# KiCad board panel.kicad_pcb (continued)
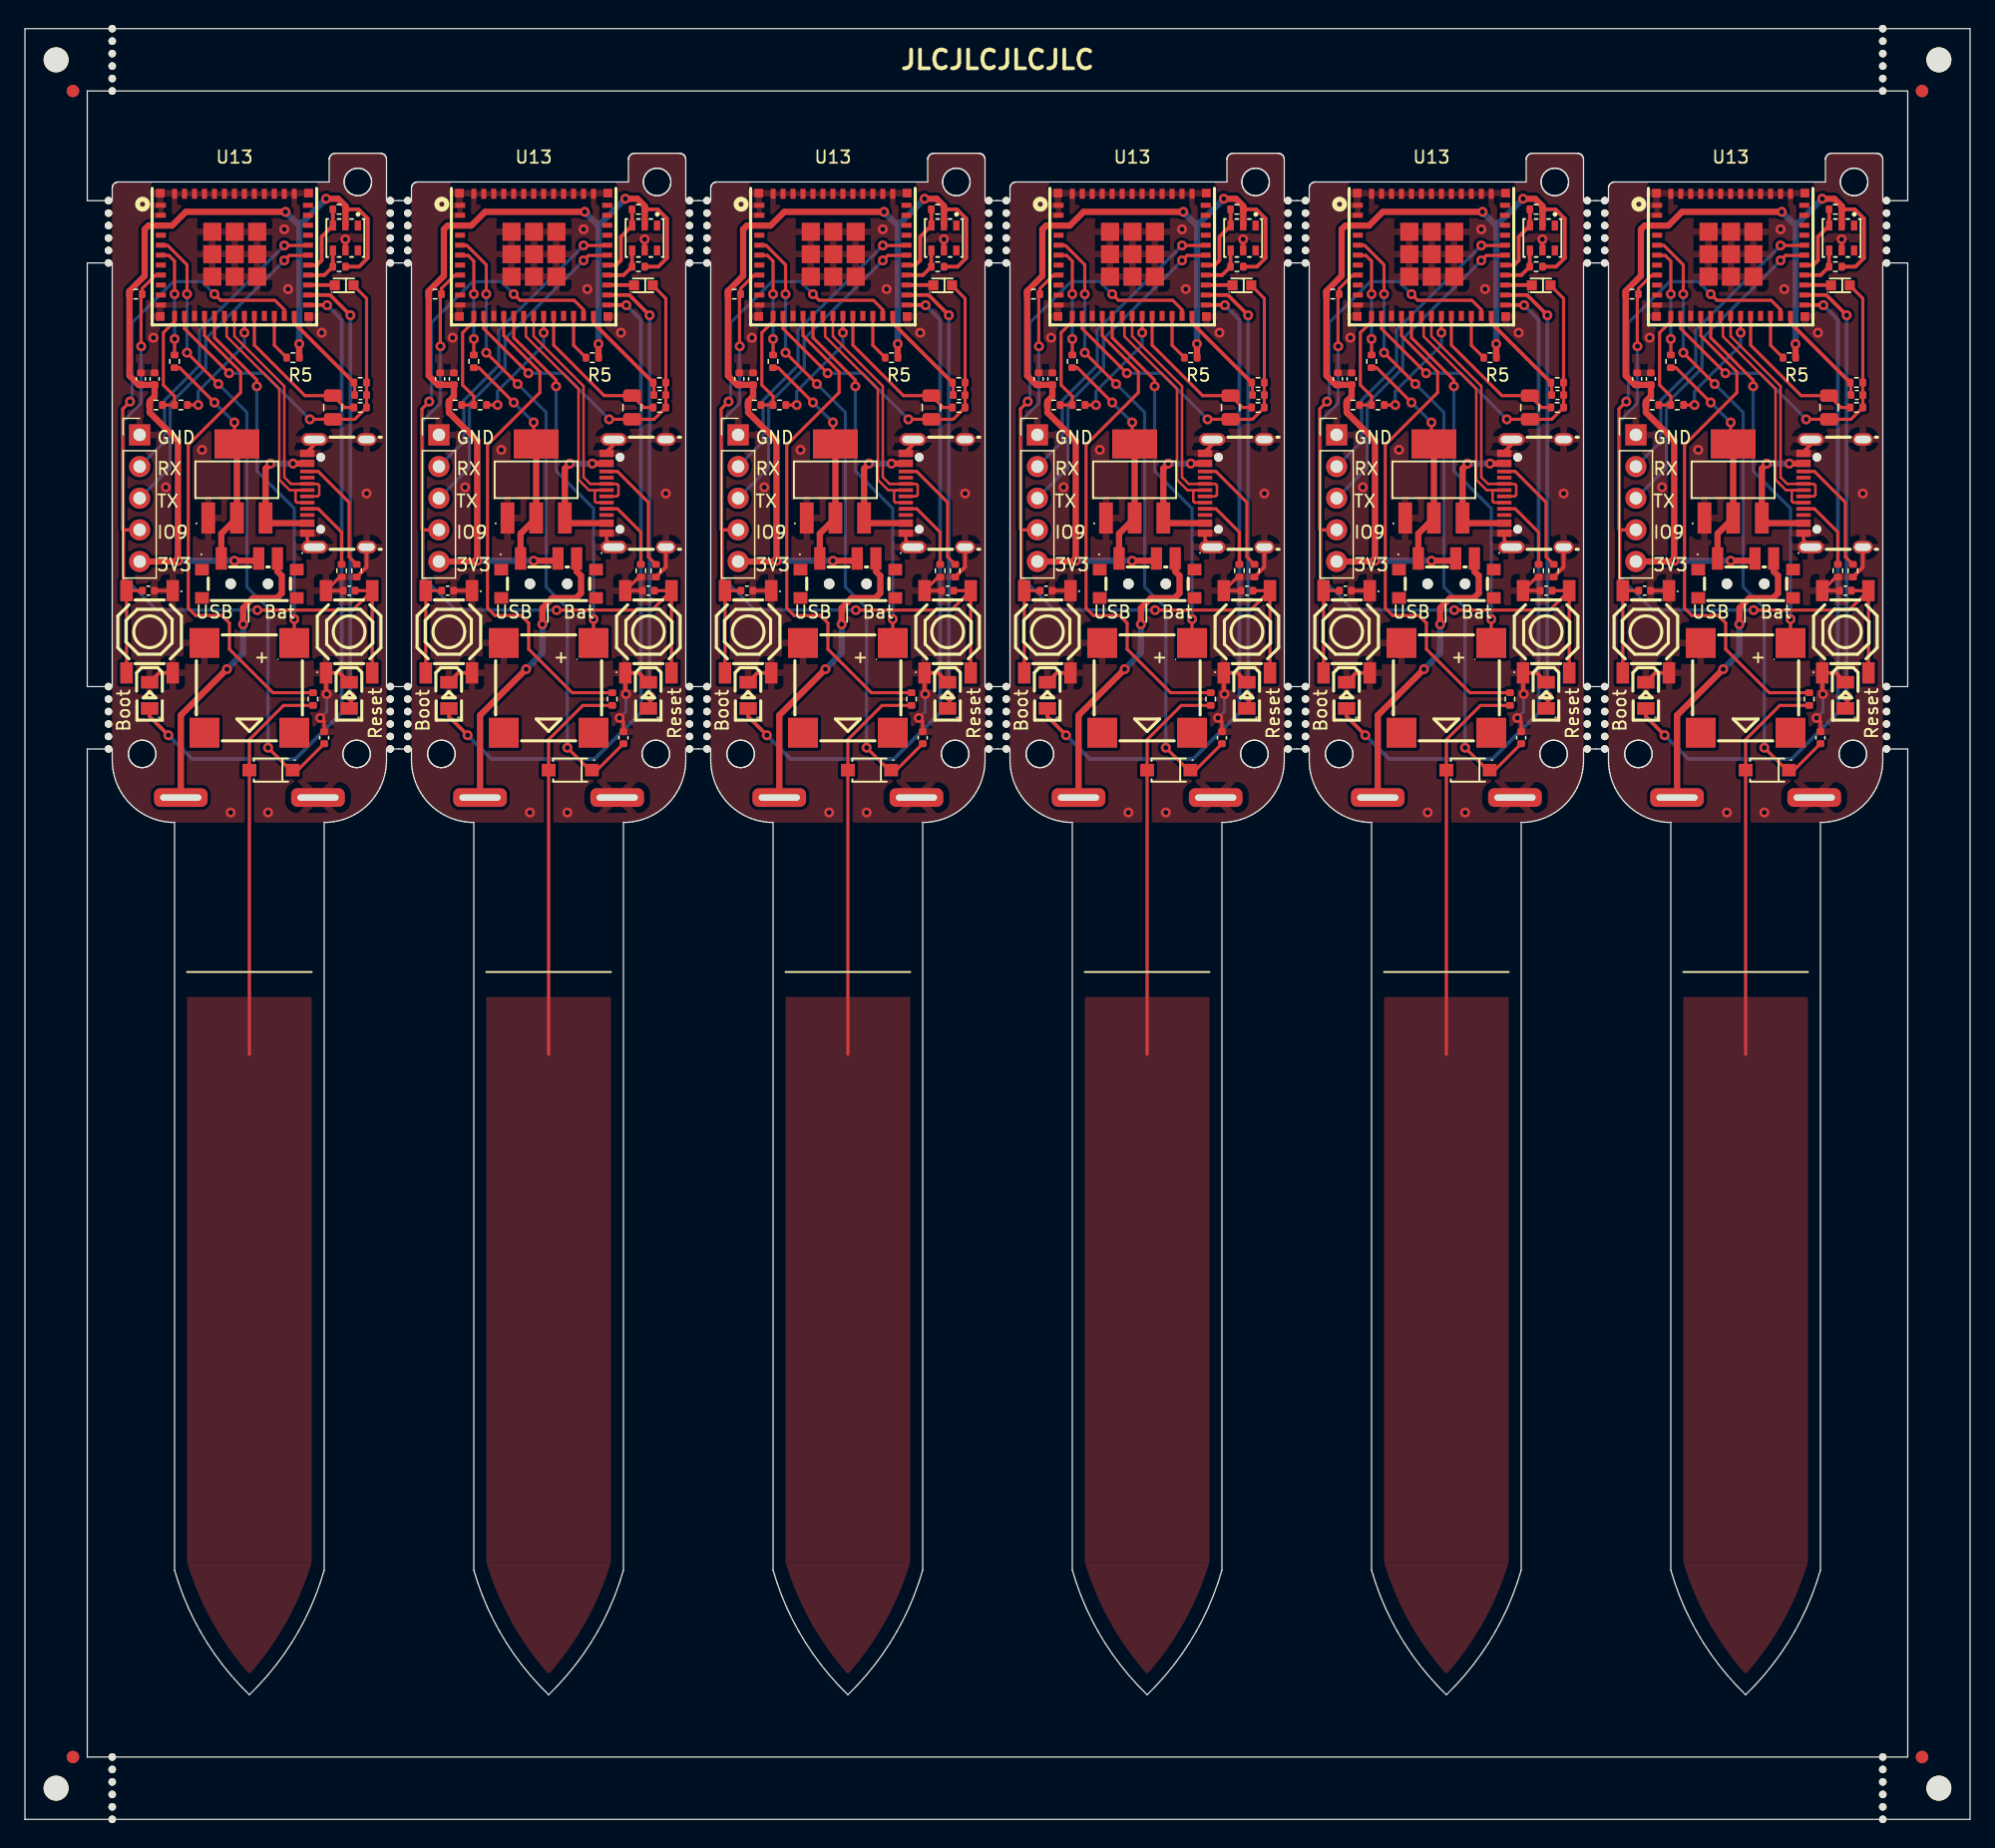
[diagram p0: board, top side]
## Placement (name value [footprint] x y rotation side) (continued)
U9#6  ~  [AAA Battery-spring]  138 82 180 bottom
U13  ESP32-C6-MINI-1/U  [WIFIM-SMD_61P-L16.6-W13.2-P0.80-ESP32-C6-MINI-1-N4]  112.8 125.55 0 top
U13#2  ESP32-C6-MINI-1/U  [WIFIM-SMD_61P-L16.6-W13.2-P0.80-ESP32-C6-MINI-1-N4]  136.8 125.55 0 top
U13#3  ESP32-C6-MINI-1/U  [WIFIM-SMD_61P-L16.6-W13.2-P0.80-ESP32-C6-MINI-1-N4]  88.8 125.55 0 top
U13#4  ESP32-C6-MINI-1/U  [WIFIM-SMD_61P-L16.6-W13.2-P0.80-ESP32-C6-MINI-1-N4]  16.8 125.55 0 top
U13#5  ESP32-C6-MINI-1/U  [WIFIM-SMD_61P-L16.6-W13.2-P0.80-ESP32-C6-MINI-1-N4]  40.8 125.55 0 top
U13#6  ESP32-C6-MINI-1/U  [WIFIM-SMD_61P-L16.6-W13.2-P0.80-ESP32-C6-MINI-1-N4]  64.8 125.55 0 top

## Library data of the parts
BZ1 BZ1#2-BZ1#6 = -: Frequency: 2700Hz; LCSC: C94599; MPN: C94599
C1 C1#2-C1#6 C2 C2#2-C2#6 C5 C5#2-C5#6 = -: Description: Unpolarized capacitor; LCSC: C1525; MPN: C1525
C3 C3#2-C3#6 = -: Description: Unpolarized capacitor; LCSC: C1527; MPN: C1527
C7 C7#2-C7#6 = -: Description: Unpolarized capacitor; LCSC: C16780; MPN: C16780
C8 C8#2-C8#6 = -: Description: Unpolarized capacitor; LCSC: C15195; MPN: C15195
C9 C9#2-C9#6 = -: Description: Unpolarized capacitor; LCSC: C15525; MPN: C15525
D1 D1#2-D1#6 = -: LCSC: C2297; MPN: C2297
D2 D2#2-D2#6 = -: LCSC: C81598; MPN: C81598
D3 D3#2-D3#6 = -: LCSC: C84256; MPN: C84256
J1 J1#2-J1#6 = -: Description: Generic connector, single row, 01x05, script generated (kicad-library-utils/schlib/autogen/connector/); LCSC: /; MPN: /
R1 R1#2-R1#6 = -: Description: Resistor; LCSC: C26082; MPN: C26082
R2 R2#2-R2#6 R4 R4#2-R4#6 R10 R10#2-R10#6 R11 R11#2-R11#6 R12 R12#2-R12#6 = -: Description: Resistor; LCSC: C25905; MPN: C25905
R3 R3#2-R3#6 = -: Description: Resistor; LCSC: C11702; MPN: C11702
R5 R5#2-R5#6 R7 R7#2-R7#6 R8 R8#2-R8#6 R9 R9#2-R9#6 = -: Description: Resistor; LCSC: C25744; MPN: C25744
R6 R6#2-R6#6 = -: Description: Resistor; LCSC: C4109; MPN: C4109
U1 U1#2-U1#6 = -: LCSC: C2997435
U3 U3#2-U3#6 U4 U4#2-U4#6 = -: LCSC: C318884; MPN: C318884
U5 U5#2-U5#6 = -: LCSC: C2757850; MPN: C2757850
U6 U6#2-U6#6 = -: LCSC: C146233; MPN: C146233
U7 U7#2-U7#6 = -: LCSC: C6186; MPN: C6186
U8 U8#2-U8#6 = -: JLCPCB Position Offset: 0,0,-0.5; LCSC: C778186; MPN: C778186
U9 U9#2-U9#6 = -: LCSC: /; MPN: /
U13 U13#2-U13#6 = -: LCSC: C5736265; MPN: C5736265

## Footprints (pads in the part's own frame, mm; a bottom-side part is the same pattern mirrored in y, then rotated)
AAA Battery-spring
  rrect 4.3x1.5 hole 3.3x0.5: 1(-5.5,0) 2(5.5,0)
BUZ-SMD_4P-L8.5-W8.5-P8.50-BR
  rect 2.4x2.4 smd: 1(-3.6,-3.6) 2(3.6,-3.6) 3(3.6,3.6) 4(-3.6,3.6)
C_0402_1005Metric
  rrect 0.56x0.62 smd: 1(-0.48,0) 2(0.48,0)
C_0805_2012Metric
  rrect 1x1.45 smd: 1(-0.95,0) 2(0.95,0)
Fiducial
  round 1 smd: (0,0)
LED0805-R-RD
  rect 1x1.4 smd: 1(1.05,0) 2(-1.05,0)
NPTH
  round 0.6 hole 0.6 unplated: (0,0)
NPTH#2
  round 2 hole 2 unplated: (0,0)
PinHeader_1x05_P2.54mm_Vertical
  rect 1.7x1.7 hole 1: 1(0,0)
  oval 1.7x1.7 hole 1: 2(0,-2.54) 3(0,-5.08) 4(0,-7.62) 5(0,-10.16)
R_0402_1005Metric
  rrect 0.54x0.64 smd: 1(-0.51,0) 2(0.51,0)
SENSOR-SMD_L3.0-W3.0-P1.00-BR
  rect 0.8x0.5 smd: 1(1,-1) 2(1,0) 3(1,1) 4(-1,1) 5(-1,0) 6(-1,-1)
SENSORS-SMD_ALS-PT19
  rect 0.8x0.8 smd: 1(-0.75,0) 2(0.75,0)
SOD-123F_L2.7-W1.6-LS3.8-RD
  rect 1.1x1 smd: 1(-1.735,0) 2(1.735,0)
SOT-223-3_L6.5-W3.4-P2.30-LS7.0-BR
  rect 2.5x1.1 smd: 1(2.97,-2.3) 2(2.97,0) 3(2.97,2.3)
  rect 2.34x3.6 smd: 4(-2.97,0)
SW-SMD_4P-L5.1-W5.1-P3.70-LS6.5-TL-2
  rect 1.7x1 smd: 1(-3.3,1.85) 1(3.3,1.85) 2(-3.3,-1.85) 2(3.3,-1.85)
SW-SMD_MK-12C02-G025
  round 0.85 hole 0.85 unplated: (-1.5,-0.448) (1.5,-0.448)
  rect 0.9x1.8 smd: 1(-2.25,1.583) 2(0.75,1.583) 3(2.25,1.583)
  rect 1.1x0.93 smd: 4(3.8,0.687) 5(3.8,-1.583) 6(-3.8,-1.583) 7(-3.8,0.687)
USB-C-SMD_G-SWITCH_GT-USB-7010EN
  round 0.7 hole 0.7 unplated: (-2.89,1.302) (2.89,1.302)
  oval 1x2.1 hole 0.6x1.7: 1(-4.32,1.803) 2(4.32,1.803)
  oval 1x1.6 hole 0.6x1.3: 3(4.32,-2.378) 4(-4.32,-2.378)
  rect 0.6x1.15 smd: A1B12(-3.2,2.378) A4B9(-2.4,2.378) B1A12(3.2,2.378) B4A9(2.4,2.378)
  rect 0.3x1.15 smd: A5(-1.25,2.378) A6(-0.25,2.378) A7(0.25,2.378) A8(1.25,2.378) B5(1.75,2.378) B6(0.75,2.378) B7(-0.75,2.378) B8(-1.75,2.378)
WIFIM-SMD_61P-L16.6-W13.2-P0.80-ESP32-C6-MINI-1-N4
  rect 0.8x0.4 smd: 1(-5.9,3.975) 2(-5.9,3.175) 3(-5.9,2.375) 4(-5.9,1.575) 5(-5.9,0.775) 6(-5.9,-0.025) 7(-5.9,-0.825) 8(-5.9,-1.625) 9(-5.9,-2.425) 10(-5.9,-3.225) 11(-5.9,-4.025) 25(5.9,-4.025) 26(5.9,-3.225) 27(5.9,-2.425) 28(5.9,-1.625) 29(5.9,-0.825) 30(5.9,-0.025) 31(5.9,0.775) 32(5.9,1.575) 33(5.9,2.375) 34(5.9,3.175) 35(5.9,3.975)
  rect 0.4x0.8 smd: 12(-4.8,-4.9) 13(-4,-4.9) 14(-3.2,-4.9) 15(-2.4,-4.9) 16(-1.6,-4.9) 17(-0.8,-4.9) 18(0,-4.9) 19(0.8,-4.9) 20(1.6,-4.9) 21(2.4,-4.9) 22(3.2,-4.9) 23(4,-4.9) 24(4.8,-4.9) 36(4.8,4.9) 37(4,4.9) 38(3.2,4.9) 39(2.4,4.9) 40(1.6,4.9) 41(0.8,4.9) 42(0,4.9) 43(-0.8,4.9) 44(-1.6,4.9) 45(-2.4,4.9) 46(-3.2,4.9) 47(-4,4.9) 48(-4.8,4.9)
  rect 1.45x1.45 smd: 49(-1.775,1.85) 49(-1.775,0.05) 49(-1.775,-1.75) 49(0.025,1.85) 49(0.025,0.05) 49(0.025,-1.75) 49(1.825,1.85) 49(1.825,0.05) 49(1.825,-1.75)
  rect 0.7x0.7 smd: 50(5.95,4.95) 51(5.95,-4.95) 52(-5.95,-4.95) 53(-5.95,4.95)

## Nets
Board_0-+3V3: C8.1 C9#3.1 J1#2.5 R2#3.2 R4#3.1 R5#3.2 R9#6.1 R10.2 U5#4.2 U8#5.2 U13#4.3
Board_0-/AD_Capacitance: C3#4.2 D2#6.1 U13#4.5
Board_0-/BAT: U8#5.3 U9.2
Board_0-/Buzzer: BZ1#4.1 U13#4.16
Board_0-/D+: U1#6.A6 U1#6.B6 U13#4.18
Board_0-/D-: U1#6.A7 U1#6.B7 U13#4.17
Board_0-/EN: C1#3.2 R9#6.2 U3#6.2 U13#4.8
Board_0-/IO8: R5#3.1 U13#4.22
Board_0-/IO9: C2#3.2 J1#2.4 U4#6.2 U13#4.23
Board_0-/LED_GREEN: D1.1 U13#4.25
Board_0-/LED_RED: D3.1 U13#4.26
Board_0-/Light_Sensor_Analog: C5#4.1 C7#3.1 R1#2.1 R3#3.1 U6.2 U13#4.13
Board_0-/Light_Sensor_In: U6.1 U13#4.27
Board_0-/Light_Sensor_Select_1: C5#4.2 R1#2.2 U13#4.24
Board_0-/Light_Sensor_Select_2: C7#3.2 R3#3.2 U13#4.20
Board_0-/RX: J1#2.3 U13#4.30
Board_0-/SensorCapV: D2#6.2 R8#6.1
Board_0-/Square_Wave_Signal: R8#6.2 U13#4.15
Board_0-/TH_SCL: R2#3.1 U5#4.3 U13#4.29
Board_0-/TH_SDA: R10.1 U5#4.4 U13#4.28
Board_0-/TX: J1#2.2 U13#4.31
Board_0-/USB: R7#3.1 U7#4.2 U7#4.4 U8#5.1
Board_0-/Voltage_Measurement_Analog: R4#3.2 R6#3.1 U13#4.12
Board_0-/Voltage_Measurement_Select: R6#3.2 U13#4.19
Board_0-GND: BZ1#4.2 C1#3.1 C2#3.1 C3#4.1 C8.2 C9#3.2 D1.2 D3.2 J1#2.1 R11#6.1 R12#6.1 U1#6.1 U1#6.2 U1#6.3 U1#6.4 U1#6.A1B12 U1#6.B1A12 U3#6.1 U4#6.1 U5#4.5 U7#4.1 U9.1 U13#4.1 U13#4.2 U13#4.11 U13#4.14 U13#4.36 U13#4.37 U13#4.38 U13#4.39 U13#4.40 U13#4.41 U13#4.42 U13#4.43 U13#4.44 U13#4.45 U13#4.46 U13#4.47 U13#4.48 U13#4.49 U13#4.50 U13#4.51 U13#4.52 U13#4.53
Board_0-Net-(U1-CC1): R11#6.2 U1#6.A5
Board_0-Net-(U1-CC2): R12#6.2 U1#6.B5
Board_0-Net-(U7-VIN): U1#6.A4B9 U1#6.B4A9 U7#4.3
Board_0-Net-(U13-IO3): R7#3.2 U13#4.6
Board_0-unconnected-(U1-SBU1-PadA8): U1#6.A8
Board_0-unconnected-(U1-SBU2-PadB8): U1#6.B8
Board_0-unconnected-(U5-NC-Pad1): U5#4.1
Board_0-unconnected-(U5-NC-Pad6): U5#4.6
Board_0-unconnected-(U8-Pad4): U8#5.4
Board_0-unconnected-(U8-Pad5): U8#5.5
Board_0-unconnected-(U8-Pad6): U8#5.6
Board_0-unconnected-(U8-Pad7): U8#5.7
Board_0-unconnected-(U13-IO4-Pad9): U13#4.9
Board_0-unconnected-(U13-IO5-Pad10): U13#4.10
Board_0-unconnected-(U13-NC-Pad4): U13#4.4
Board_0-unconnected-(U13-NC-Pad7): U13#4.7
Board_0-unconnected-(U13-NC-Pad21): U13#4.21
Board_0-unconnected-(U13-NC-Pad32): U13#4.32
Board_0-unconnected-(U13-NC-Pad33): U13#4.33
Board_0-unconnected-(U13-NC-Pad34): U13#4.34
Board_0-unconnected-(U13-NC-Pad35): U13#4.35
Board_1-+3V3: C8#3.1 C9#5.1 J1#4.5 R2#6.2 R4#6.1 R5.2 R9#4.1 R10#4.2 U5#6.2 U8#2.2 U13#5.3
Board_1-/AD_Capacitance: C3#5.2 D2#2.1 U13#5.5
Board_1-/BAT: U8#2.3 U9#5.2
Board_1-/Buzzer: BZ1.1 U13#5.16
Board_1-/D+: U1#3.A6 U1#3.B6 U13#5.18
Board_1-/D-: U1#3.A7 U1#3.B7 U13#5.17
Board_1-/EN: C1#2.2 R9#4.2 U3#2.2 U13#5.8
Board_1-/IO8: R5.1 U13#5.22
Board_1-/IO9: C2#5.2 J1#4.4 U4#2.2 U13#5.23
Board_1-/LED_GREEN: D1#6.1 U13#5.25
Board_1-/LED_RED: D3#4.1 U13#5.26
Board_1-/Light_Sensor_Analog: C5.1 C7#6.1 R1#5.1 R3.1 U6#4.2 U13#5.13
Board_1-/Light_Sensor_In: U6#4.1 U13#5.27
Board_1-/Light_Sensor_Select_1: C5.2 R1#5.2 U13#5.24
Board_1-/Light_Sensor_Select_2: C7#6.2 R3.2 U13#5.20
Board_1-/RX: J1#4.3 U13#5.30
Board_1-/SensorCapV: D2#2.2 R8#4.1
Board_1-/Square_Wave_Signal: R8#4.2 U13#5.15
Board_1-/TH_SCL: R2#6.1 U5#6.3 U13#5.29
Board_1-/TH_SDA: R10#4.1 U5#6.4 U13#5.28
Board_1-/TX: J1#4.2 U13#5.31
Board_1-/USB: R7.1 U7#2.2 U7#2.4 U8#2.1
Board_1-/Voltage_Measurement_Analog: R4#6.2 R6.1 U13#5.12
Board_1-/Voltage_Measurement_Select: R6.2 U13#5.19
Board_1-GND: BZ1.2 C1#2.1 C2#5.1 C3#5.1 C8#3.2 C9#5.2 D1#6.2 D3#4.2 J1#4.1 R11#4.1 R12#4.1 U1#3.1 U1#3.2 U1#3.3 U1#3.4 U1#3.A1B12 U1#3.B1A12 U3#2.1 U4#2.1 U5#6.5 U7#2.1 U9#5.1 U13#5.1 U13#5.2 U13#5.11 U13#5.14 U13#5.36 U13#5.37 U13#5.38 U13#5.39 U13#5.40 U13#5.41 U13#5.42 U13#5.43 U13#5.44 U13#5.45 U13#5.46 U13#5.47 U13#5.48 U13#5.49 U13#5.50 U13#5.51 U13#5.52 U13#5.53
Board_1-Net-(U1-CC1): R11#4.2 U1#3.A5
Board_1-Net-(U1-CC2): R12#4.2 U1#3.B5
Board_1-Net-(U7-VIN): U1#3.A4B9 U1#3.B4A9 U7#2.3
Board_1-Net-(U13-IO3): R7.2 U13#5.6
Board_1-unconnected-(U1-SBU1-PadA8): U1#3.A8
Board_1-unconnected-(U1-SBU2-PadB8): U1#3.B8
Board_1-unconnected-(U5-NC-Pad1): U5#6.1
Board_1-unconnected-(U5-NC-Pad6): U5#6.6
Board_1-unconnected-(U8-Pad4): U8#2.4
Board_1-unconnected-(U8-Pad5): U8#2.5
Board_1-unconnected-(U8-Pad6): U8#2.6
Board_1-unconnected-(U8-Pad7): U8#2.7
Board_1-unconnected-(U13-IO4-Pad9): U13#5.9
Board_1-unconnected-(U13-IO5-Pad10): U13#5.10
Board_1-unconnected-(U13-NC-Pad4): U13#5.4
Board_1-unconnected-(U13-NC-Pad7): U13#5.7
Board_1-unconnected-(U13-NC-Pad21): U13#5.21
Board_1-unconnected-(U13-NC-Pad32): U13#5.32
Board_1-unconnected-(U13-NC-Pad33): U13#5.33
Board_1-unconnected-(U13-NC-Pad34): U13#5.34
Board_1-unconnected-(U13-NC-Pad35): U13#5.35
Board_2-+3V3: C8#4.1 C9#2.1 J1.5 R2.2 R4#4.1 R5#2.2 R9#5.1 R10#5.2 U5.2 U8.2 U13#6.3
Board_2-/AD_Capacitance: C3#3.2 D2.1 U13#6.5
Board_2-/BAT: U8.3 U9#4.2
Board_2-/Buzzer: BZ1#5.1 U13#6.16
Board_2-/D+: U1#5.A6 U1#5.B6 U13#6.18
Board_2-/D-: U1#5.A7 U1#5.B7 U13#6.17
Board_2-/EN: C1#4.2 R9#5.2 U3#5.2 U13#6.8
Board_2-/IO8: R5#2.1 U13#6.22
Board_2-/IO9: C2#4.2 J1.4 U4#4.2 U13#6.23
Board_2-/LED_GREEN: D1#2.1 U13#6.25
Board_2-/LED_RED: D3#2.1 U13#6.26
Board_2-/Light_Sensor_Analog: C5#6.1 C7#4.1 R1#3.1 R3#2.1 U6#2.2 U13#6.13
Board_2-/Light_Sensor_In: U6#2.1 U13#6.27
Board_2-/Light_Sensor_Select_1: C5#6.2 R1#3.2 U13#6.24
Board_2-/Light_Sensor_Select_2: C7#4.2 R3#2.2 U13#6.20
Board_2-/RX: J1.3 U13#6.30
Board_2-/SensorCapV: D2.2 R8#5.1
Board_2-/Square_Wave_Signal: R8#5.2 U13#6.15
Board_2-/TH_SCL: R2.1 U5.3 U13#6.29
Board_2-/TH_SDA: R10#5.1 U5.4 U13#6.28
Board_2-/TX: J1.2 U13#6.31
Board_2-/USB: R7#4.1 U7#3.2 U7#3.4 U8.1
Board_2-/Voltage_Measurement_Analog: R4#4.2 R6#5.1 U13#6.12
Board_2-/Voltage_Measurement_Select: R6#5.2 U13#6.19
Board_2-GND: BZ1#5.2 C1#4.1 C2#4.1 C3#3.1 C8#4.2 C9#2.2 D1#2.2 D3#2.2 J1.1 R11.1 R12#5.1 U1#5.1 U1#5.2 U1#5.3 U1#5.4 U1#5.A1B12 U1#5.B1A12 U3#5.1 U4#4.1 U5.5 U7#3.1 U9#4.1 U13#6.1 U13#6.2 U13#6.11 U13#6.14 U13#6.36 U13#6.37 U13#6.38 U13#6.39 U13#6.40 U13#6.41 U13#6.42 U13#6.43 U13#6.44 U13#6.45 U13#6.46 U13#6.47 U13#6.48 U13#6.49 U13#6.50 U13#6.51 U13#6.52 U13#6.53
Board_2-Net-(U1-CC1): R11.2 U1#5.A5
Board_2-Net-(U1-CC2): R12#5.2 U1#5.B5
Board_2-Net-(U7-VIN): U1#5.A4B9 U1#5.B4A9 U7#3.3
Board_2-Net-(U13-IO3): R7#4.2 U13#6.6
Board_2-unconnected-(U1-SBU1-PadA8): U1#5.A8
Board_2-unconnected-(U1-SBU2-PadB8): U1#5.B8
Board_2-unconnected-(U5-NC-Pad1): U5.1
Board_2-unconnected-(U5-NC-Pad6): U5.6
Board_2-unconnected-(U8-Pad4): U8.4
Board_2-unconnected-(U8-Pad5): U8.5
Board_2-unconnected-(U8-Pad6): U8.6
Board_2-unconnected-(U8-Pad7): U8.7
Board_2-unconnected-(U13-IO4-Pad9): U13#6.9
Board_2-unconnected-(U13-IO5-Pad10): U13#6.10
Board_2-unconnected-(U13-NC-Pad4): U13#6.4
Board_2-unconnected-(U13-NC-Pad7): U13#6.7
Board_2-unconnected-(U13-NC-Pad21): U13#6.21
Board_2-unconnected-(U13-NC-Pad32): U13#6.32
Board_2-unconnected-(U13-NC-Pad33): U13#6.33
Board_2-unconnected-(U13-NC-Pad34): U13#6.34
Board_2-unconnected-(U13-NC-Pad35): U13#6.35
Board_3-+3V3: C8#6.1 C9.1 J1#3.5 R2#4.2 R4.1 R5#5.2 R9.1 R10#6.2 U5#2.2 U8#6.2 U13#3.3
Board_3-/AD_Capacitance: C3#6.2 D2#4.1 U13#3.5
Board_3-/BAT: U8#6.3 U9#3.2
Board_3-/Buzzer: BZ1#2.1 U13#3.16
Board_3-/D+: U1#2.A6 U1#2.B6 U13#3.18
Board_3-/D-: U1#2.A7 U1#2.B7 U13#3.17
Board_3-/EN: C1.2 R9.2 U3#3.2 U13#3.8
Board_3-/IO8: R5#5.1 U13#3.22
Board_3-/IO9: C2#6.2 J1#3.4 U4.2 U13#3.23
Board_3-/LED_GREEN: D1#5.1 U13#3.25
Board_3-/LED_RED: D3#5.1 U13#3.26
Board_3-/Light_Sensor_Analog: C5#3.1 C7#2.1 R1#6.1 R3#6.1 U6#3.2 U13#3.13
Board_3-/Light_Sensor_In: U6#3.1 U13#3.27
Board_3-/Light_Sensor_Select_1: C5#3.2 R1#6.2 U13#3.24
Board_3-/Light_Sensor_Select_2: C7#2.2 R3#6.2 U13#3.20
Board_3-/RX: J1#3.3 U13#3.30
Board_3-/SensorCapV: D2#4.2 R8#3.1
Board_3-/Square_Wave_Signal: R8#3.2 U13#3.15
Board_3-/TH_SCL: R2#4.1 U5#2.3 U13#3.29
Board_3-/TH_SDA: R10#6.1 U5#2.4 U13#3.28
Board_3-/TX: J1#3.2 U13#3.31
Board_3-/USB: R7#5.1 U7.2 U7.4 U8#6.1
Board_3-/Voltage_Measurement_Analog: R4.2 R6#6.1 U13#3.12
Board_3-/Voltage_Measurement_Select: R6#6.2 U13#3.19
Board_3-GND: BZ1#2.2 C1.1 C2#6.1 C3#6.1 C8#6.2 C9.2 D1#5.2 D3#5.2 J1#3.1 R11#2.1 R12#2.1 U1#2.1 U1#2.2 U1#2.3 U1#2.4 U1#2.A1B12 U1#2.B1A12 U3#3.1 U4.1 U5#2.5 U7.1 U9#3.1 U13#3.1 U13#3.2 U13#3.11 U13#3.14 U13#3.36 U13#3.37 U13#3.38 U13#3.39 U13#3.40 U13#3.41 U13#3.42 U13#3.43 U13#3.44 U13#3.45 U13#3.46 U13#3.47 U13#3.48 U13#3.49 U13#3.50 U13#3.51 U13#3.52 U13#3.53
Board_3-Net-(U1-CC1): R11#2.2 U1#2.A5
Board_3-Net-(U1-CC2): R12#2.2 U1#2.B5
Board_3-Net-(U7-VIN): U1#2.A4B9 U1#2.B4A9 U7.3
Board_3-Net-(U13-IO3): R7#5.2 U13#3.6
Board_3-unconnected-(U1-SBU1-PadA8): U1#2.A8
Board_3-unconnected-(U1-SBU2-PadB8): U1#2.B8
Board_3-unconnected-(U5-NC-Pad1): U5#2.1
Board_3-unconnected-(U5-NC-Pad6): U5#2.6
Board_3-unconnected-(U8-Pad4): U8#6.4
Board_3-unconnected-(U8-Pad5): U8#6.5
Board_3-unconnected-(U8-Pad6): U8#6.6
Board_3-unconnected-(U8-Pad7): U8#6.7
Board_3-unconnected-(U13-IO4-Pad9): U13#3.9
Board_3-unconnected-(U13-IO5-Pad10): U13#3.10
Board_3-unconnected-(U13-NC-Pad4): U13#3.4
Board_3-unconnected-(U13-NC-Pad7): U13#3.7
Board_3-unconnected-(U13-NC-Pad21): U13#3.21
Board_3-unconnected-(U13-NC-Pad32): U13#3.32
Board_3-unconnected-(U13-NC-Pad33): U13#3.33
Board_3-unconnected-(U13-NC-Pad34): U13#3.34
Board_3-unconnected-(U13-NC-Pad35): U13#3.35
Board_4-+3V3: C8#2.1 C9#6.1 J1#5.5 R2#2.2 R4#5.1 R5#4.2 R9#3.1 R10#3.2 U5#3.2 U8#3.2 U13.3
Board_4-/AD_Capacitance: C3#2.2 D2#3.1 U13.5
Board_4-/BAT: U8#3.3 U9#2.2
Board_4-/Buzzer: BZ1#6.1 U13.16
Board_4-/D+: U1#4.A6 U1#4.B6 U13.18
Board_4-/D-: U1#4.A7 U1#4.B7 U13.17
Board_4-/EN: C1#5.2 R9#3.2 U3#4.2 U13.8
Board_4-/IO8: R5#4.1 U13.22
Board_4-/IO9: C2.2 J1#5.4 U4#5.2 U13.23
Board_4-/LED_GREEN: D1#3.1 U13.25
Board_4-/LED_RED: D3#3.1 U13.26
Board_4-/Light_Sensor_Analog: C5#2.1 C7.1 R1#4.1 R3#5.1 U6#6.2 U13.13
Board_4-/Light_Sensor_In: U6#6.1 U13.27
Board_4-/Light_Sensor_Select_1: C5#2.2 R1#4.2 U13.24
Board_4-/Light_Sensor_Select_2: C7.2 R3#5.2 U13.20
Board_4-/RX: J1#5.3 U13.30
Board_4-/SensorCapV: D2#3.2 R8#2.1
Board_4-/Square_Wave_Signal: R8#2.2 U13.15
Board_4-/TH_SCL: R2#2.1 U5#3.3 U13.29
Board_4-/TH_SDA: R10#3.1 U5#3.4 U13.28
Board_4-/TX: J1#5.2 U13.31
Board_4-/USB: R7#2.1 U7#5.2 U7#5.4 U8#3.1
Board_4-/Voltage_Measurement_Analog: R4#5.2 R6#2.1 U13.12
Board_4-/Voltage_Measurement_Select: R6#2.2 U13.19
Board_4-GND: BZ1#6.2 C1#5.1 C2.1 C3#2.1 C8#2.2 C9#6.2 D1#3.2 D3#3.2 J1#5.1 R11#3.1 R12.1 U1#4.1 U1#4.2 U1#4.3 U1#4.4 U1#4.A1B12 U1#4.B1A12 U3#4.1 U4#5.1 U5#3.5 U7#5.1 U9#2.1 U13.1 U13.2 U13.11 U13.14 U13.36 U13.37 U13.38 U13.39 U13.40 U13.41 U13.42 U13.43 U13.44 U13.45 U13.46 U13.47 U13.48 U13.49 U13.50 U13.51 U13.52 U13.53
Board_4-Net-(U1-CC1): R11#3.2 U1#4.A5
Board_4-Net-(U1-CC2): R12.2 U1#4.B5
Board_4-Net-(U7-VIN): U1#4.A4B9 U1#4.B4A9 U7#5.3
Board_4-Net-(U13-IO3): R7#2.2 U13.6
Board_4-unconnected-(U1-SBU1-PadA8): U1#4.A8
Board_4-unconnected-(U1-SBU2-PadB8): U1#4.B8
Board_4-unconnected-(U5-NC-Pad1): U5#3.1
Board_4-unconnected-(U5-NC-Pad6): U5#3.6
Board_4-unconnected-(U8-Pad4): U8#3.4
Board_4-unconnected-(U8-Pad5): U8#3.5
Board_4-unconnected-(U8-Pad6): U8#3.6
Board_4-unconnected-(U8-Pad7): U8#3.7
Board_4-unconnected-(U13-IO4-Pad9): U13.9
Board_4-unconnected-(U13-IO5-Pad10): U13.10
Board_4-unconnected-(U13-NC-Pad4): U13.4
Board_4-unconnected-(U13-NC-Pad7): U13.7
Board_4-unconnected-(U13-NC-Pad21): U13.21
Board_4-unconnected-(U13-NC-Pad32): U13.32
Board_4-unconnected-(U13-NC-Pad33): U13.33
Board_4-unconnected-(U13-NC-Pad34): U13.34
Board_4-unconnected-(U13-NC-Pad35): U13.35
Board_5-+3V3: C8#5.1 C9#4.1 J1#6.5 R2#5.2 R4#2.1 R5#6.2 R9#2.1 R10#2.2 U5#5.2 U8#4.2 U13#2.3
Board_5-/AD_Capacitance: C3.2 D2#5.1 U13#2.5
Board_5-/BAT: U8#4.3 U9#6.2
Board_5-/Buzzer: BZ1#3.1 U13#2.16
Board_5-/D+: U1.A6 U1.B6 U13#2.18
Board_5-/D-: U1.A7 U1.B7 U13#2.17
Board_5-/EN: C1#6.2 R9#2.2 U3.2 U13#2.8
Board_5-/IO8: R5#6.1 U13#2.22
Board_5-/IO9: C2#2.2 J1#6.4 U4#3.2 U13#2.23
Board_5-/LED_GREEN: D1#4.1 U13#2.25
Board_5-/LED_RED: D3#6.1 U13#2.26
Board_5-/Light_Sensor_Analog: C5#5.1 C7#5.1 R1.1 R3#4.1 U6#5.2 U13#2.13
Board_5-/Light_Sensor_In: U6#5.1 U13#2.27
Board_5-/Light_Sensor_Select_1: C5#5.2 R1.2 U13#2.24
Board_5-/Light_Sensor_Select_2: C7#5.2 R3#4.2 U13#2.20
Board_5-/RX: J1#6.3 U13#2.30
Board_5-/SensorCapV: D2#5.2 R8.1
Board_5-/Square_Wave_Signal: R8.2 U13#2.15
Board_5-/TH_SCL: R2#5.1 U5#5.3 U13#2.29
Board_5-/TH_SDA: R10#2.1 U5#5.4 U13#2.28
Board_5-/TX: J1#6.2 U13#2.31
Board_5-/USB: R7#6.1 U7#6.2 U7#6.4 U8#4.1
Board_5-/Voltage_Measurement_Analog: R4#2.2 R6#4.1 U13#2.12
Board_5-/Voltage_Measurement_Select: R6#4.2 U13#2.19
Board_5-GND: BZ1#3.2 C1#6.1 C2#2.1 C3.1 C8#5.2 C9#4.2 D1#4.2 D3#6.2 J1#6.1 R11#5.1 R12#3.1 U1.1 U1.2 U1.3 U1.4 U1.A1B12 U1.B1A12 U3.1 U4#3.1 U5#5.5 U7#6.1 U9#6.1 U13#2.1 U13#2.2 U13#2.11 U13#2.14 U13#2.36 U13#2.37 U13#2.38 U13#2.39 U13#2.40 U13#2.41 U13#2.42 U13#2.43 U13#2.44 U13#2.45 U13#2.46 U13#2.47 U13#2.48 U13#2.49 U13#2.50 U13#2.51 U13#2.52 U13#2.53
Board_5-Net-(U1-CC1): R11#5.2 U1.A5
Board_5-Net-(U1-CC2): R12#3.2 U1.B5
Board_5-Net-(U7-VIN): U1.A4B9 U1.B4A9 U7#6.3
Board_5-Net-(U13-IO3): R7#6.2 U13#2.6
Board_5-unconnected-(U1-SBU1-PadA8): U1.A8
Board_5-unconnected-(U1-SBU2-PadB8): U1.B8
Board_5-unconnected-(U5-NC-Pad1): U5#5.1
Board_5-unconnected-(U5-NC-Pad6): U5#5.6
Board_5-unconnected-(U8-Pad4): U8#4.4
Board_5-unconnected-(U8-Pad5): U8#4.5
Board_5-unconnected-(U8-Pad6): U8#4.6
Board_5-unconnected-(U8-Pad7): U8#4.7
Board_5-unconnected-(U13-IO4-Pad9): U13#2.9
Board_5-unconnected-(U13-IO5-Pad10): U13#2.10
Board_5-unconnected-(U13-NC-Pad4): U13#2.4
Board_5-unconnected-(U13-NC-Pad7): U13#2.7
Board_5-unconnected-(U13-NC-Pad21): U13#2.21
Board_5-unconnected-(U13-NC-Pad32): U13#2.32
Board_5-unconnected-(U13-NC-Pad33): U13#2.33
Board_5-unconnected-(U13-NC-Pad34): U13#2.34
Board_5-unconnected-(U13-NC-Pad35): U13#2.35

Pads without a net: BZ1 3 4; BZ1#2 3 4; BZ1#3 3 4; BZ1#4 3 4; BZ1#5 3 4; BZ1#6 3 4

## Via types
v1: diameter 0.8, hole 0.4, Top to Bottom, 270 vias

## Routing (per net, layer and track width the routed paths; a pad name or vN(x,y) marks a point on that pad's centre or on a via; arc(x,y) is an arc through that point)
Board_0-+3V3: length 77.3
  Top w0.3: R10.2 26.8,124.6 27.5,125.3 27.5,128.45 26.75,129.2 R2#3.2
  Top w0.5: v1(16.8,101) 18.57,101 U8#5.2 ; v1(24.15,130.05) 25.12,130.05 25.71,129.46 R2#3.2 25.71,127.91 U5#4.2 ; R5#3.2 22,117.31 v1(22,118.4) ; 12.28,110.68 12.28,110.62 ; 12.28,110.62 v1(12.28,101) 12.22,100.94 J1#2.5 ; 12.28,110.62 10,112.9 R4#3.1 10,113.8 10.4,114.2 C8.1 9.11,115.12 8.38,115.85 8.38,122.64 9.6,123.86 9.6,127.6 9.9,127.9 11.8,127.9 12.9,129 v1(20.9,129)
  Bottom w0.5: v1(16.8,101) v1(12.28,101) ; v1(24.15,130.05) 22,127.9 ; v1(20.9,129) 22,127.9 ; 22,127.9 v1(22,118.4)
Board_0-/AD_Capacitance: length 50.3
  Top w0.25: v1(13,122.4) 13,124.75 11.45,126.3 10.9,126.3 ; v1(13,117.7) v1(15.51,115.19) ; C3#4.2 21.88,84.2 D2#6.1 21.3,84.2 v1(19.5,86)
  Bottom w0.25: v1(15.51,115.19) 17.8,112.9 17.8,98.9 19.5,97.2 v1(19.5,86) ; v1(13,117.7) v1(13,122.4)
Board_0-/BAT: length 24.2
  Top w0.5: v1(17.5,95.9) 17.5,97.2 18.3,98 20.2,98 20.6,98.4 20.6,99.8 20.25,100.15 20.25,101.45 ; 12.5,81.9 12.5,88.6 v1(16.2,92.3)
  Bottom w0.5: v1(16.2,92.3) 17.5,93.6 v1(17.5,95.9)
Board_0-/Buzzer: length 28.9
  Top w0.25: v1(18.6,115) 18.6,115.5 15.2,118.9 15.2,120.6 ; v1(21.6,96.31) BZ1#4.1
  Bottom w0.25: v1(18.6,115) 18.6,108.2 21.6,105.2 v1(21.6,96.31)
Board_0-/D+: length 19.4
  Top w0.2: U1#6.A6 23.47,106.17 23.6,106.3 23.6,107.04 23.47,107.17 U1#6.B6 21.33,107.17 20.8,107.7 20.8,115.02 16.8,119.02 16.8,120.6
Board_0-/D-: length 20.3
  Top w0.2: 16,120.6 16,120.1 16.18,119.92 16.18,119.01 20.4,114.78 20.4,107.5 21.23,106.67 U1#6.A7 21.82,106.67 21.7,106.55 21.7,105.79 21.82,105.67 U1#6.B7
Board_0-/EN: length 55.4
  Top w0.25: U3#6.2 26.29,97.04 v1(18.64,97.04) ; U3#6.2 C1#3.2 ; U3#6.2 U3#6.2 ; 10.9,123.9 10.45,123.9 9.4,122.85 R9#6.2 9.31,122.31 9.31,118.22 v1(9.32,118.21)
  Bottom w0.25: v1(9.32,118.21) 9.31,118.2 9.31,113.63 7.9,112.22 7.9,99.7 10.56,97.04 v1(18.64,97.04)
Board_0-/IO8: length 3.7
  Top w0.25: 20,120.6 20,118.29 R5#3.1
Board_0-/IO9: length 46.2
  Top w0.25: C2#3.2 U4#6.2 ; U4#6.2 7.9,98.85 7.9,103.5 ; U4#6.2 U4#6.2 ; 20.8,120.6 20.8,121.15 20.05,121.9 15.7,121.9 v1(15.2,122.4) ; J1#2.4 7.92,103.48 7.9,103.5 ; 7.9,103.5 7.84,103.56 7.84,113.18 v1(8.43,113.77)
  Bottom w0.25: v1(15.2,122.4) 14.2,123.4 11.9,123.4 8.6,120.1 8.6,113.94 v1(8.43,113.77)
Board_0-/LED_GREEN: length 53.7
  Top w0.3: U13#4.25 24.22,121.52 v1(24.23,121.51) ; D1.1 10,88.5 v1(11.5,87)
  Bottom w0.3: v1(24.23,121.51) 25.4,120.34 25.4,88.8 21.7,85.1 13.4,85.1 v1(11.5,87)
Board_0-/LED_RED: length 35.7
  Top w0.3: v1(26.1,120.7) 24.48,122.32 U13#4.26 ; v1(26.15,90.1) 26.15,89.3 D3.1
  Bottom w0.3: v1(26.15,90.1) 26.1,90.15 v1(26.1,120.7)
Board_0-/Light_Sensor_Analog: length 29.2
  Top w0.25: v1(16.37,116.05) 12.8,119.62 12.8,120.6 ; U6.2 27.4,122.05 R1#2.1 C5#4.1 R3#3.1 26.45,112.35 v1(22.85,112.35)
  Bottom w0.25: v1(16.37,116.05) 19.15,116.05 v1(22.85,112.35)
Board_0-/Light_Sensor_In: length 2.2
  Top w0.3: U13#4.27 24.82,123.13 U6.1
Board_0-/Light_Sensor_Select_1: length 8.4
  Top w0.25: C5#4.2 26.44,115.24 R1#2.2
  Top w0.3: U13#4.24 21.6,120.08 R1#2.2
Board_0-/Light_Sensor_Select_2: length 12.4
  Top w0.25: R3#3.2 25.65,113.3 C7#3.2 22.45,114.25 18.4,118.3 18.4,120.6
Board_0-/RX: length 26
  Top w0.25: 22.7,125.5 21.2,125.5 v1(20.8,125.1)
  Bottom w0.25: v1(20.8,125.1) 14.5,118.8 14.5,116.45 11.65,113.6 11.65,108.47 J1#2.3
Board_0-/SensorCapV: length 31.5
  Top w0.25: 18,61.4 18,86.65 20.74,89.39 R8#6.1
Board_0-/Square_Wave_Signal: length 40.4
  Top w0.25: R8#6.2 19.89,90.41 16.4,93.9 16.4,96 15.8,96.6 13.7,96.6 13.1,97.2 13.1,110.3 17.3,114.5 17.3,116.16 14.4,119.06 14.4,120.6
Board_0-/TH_SCL: length 5.7
  Top w0.3: R2#3.1 24.7,129.19 U5#4.3 23.8,127 23.8,125.1 23.42,124.72 U13#4.29
Board_0-/TH_SDA: length 3.6
  Top w0.3: U13#4.28 24.01,123.92 R10.1 24.69,125.89 U5#4.4
Board_0-/TX: length 24.4
  Top w0.25: v1(20.8,126.3) 22.7,126.3
  Bottom w0.25: J1#2.2 11.2,110.56 11.2,113.88 14,116.68 14,119.5 v1(20.8,126.3)
Board_0-/USB: length 18.1
  Top w0.25: U7#4.4 16.8,110.57 v1(16.8,112.1) ; R7#3.1 12.41,116.49 v1(15.2,113.7)
  Top w0.5: U8#5.1 15.75,103.18 U7#4.2 U7#4.4
  Bottom w0.25: v1(15.2,113.7) v1(16.8,112.1)
Board_0-/Voltage_Measurement_Analog: length 8.8
  Top w0.25: 12,120.6 12,120.2 11.1,119.3 11.1,115.1 12,114.2 R6#3.1 R4#3.2
Board_0-/Voltage_Measurement_Select: length 9.5
  Top w0.25: v1(13.9,113.5) R6#3.2 ; v1(17.6,119.3) 17.6,120.6
  Bottom w0.25: v1(17.6,119.3) 17.6,118.3 13.9,114.6 v1(13.9,113.5)
Board_0-GND: length 19.9
  Top w0.25: U1#6.1 22.64,102.67 U1#6.A1B12 ; C2#3.1 U4#6.1 ; C3#4.1 24,88.08 v1(23.69,88.39) ; C1#3.1 U3#6.1 25.24,99.69 R11#6.1 ; 24.1,98.42 24.12,98.4
  Top w0.3: 23.22,110.32 22.64,109.74 U1#6.B1A12 ; D1.2 10.75,92 U4#6.1 ; U5#4.5 v1(25.7,126.8) ; v1(24.2,90.3) 24.15,90.35 U3#6.1 25.25,92 D3.2 ; R12#6.1 27.4,100.49 U1#6.4
  Bottom w0.25: v1(24.2,90.3) 24.2,88.9 v1(23.69,88.39)
  vias: v1(10.3,118.9) v1(11.3,106.9) v1(14.2,109.9) v1(16.5,80.8) v1(19.5,80.8) v1(20.8,127.6) v1(21.1,122.8) v1(23.8,119.3) v1(27.4,106.4)
Board_0-Net-(U1-CC1): length 6.1
  Top w0.25: R11#6.2 25.4,103.29 23.52,105.17 U1#6.A5
Board_0-Net-(U1-CC2): length 9.6
  Top w0.25: U1#6.B5 23.52,108.17 26,105.69 26,101.31 R12#6.2
Board_0-Net-(U7-VIN): length 11.1
  Top w0.5: U7#4.3 19.71,104.02 U1#6.A4B9 ; U7#4.3 19.3,108.4 v1(19.7,108.8) ; U7#4.3 19.37,104.5 ; U1#6.B4A9 22.63,108.8 v1(21.5,108.8)
  Bottom w0.5: v1(19.7,108.8) v1(21.5,108.8)
Board_0-Net-(U13-IO3): length 8.8
  Top w0.25: v1(12,118.8) R7#3.2 ; v1(12,122.4) 12,125.05 11.55,125.5 10.9,125.5
  Bottom w0.25: v1(12,122.4) v1(12,118.8)
Board_1-+3V3: length 77.3
  Top w0.3: R2#6.2 50.75,129.2 51.5,128.45 51.5,125.3 50.8,124.6 R10#4.2
  Top w0.5: 36.28,110.62 34,112.9 R4#6.1 34,113.8 34.4,114.2 C8#3.1 33.11,115.12 32.38,115.85 32.38,122.64 33.6,123.86 33.6,127.6 33.9,127.9 35.8,127.9 36.9,129 v1(44.9,129) ; 36.28,110.62 36.28,110.68 ; 36.28,110.62 v1(36.28,101) 36.22,100.94 J1#4.5 ; v1(40.8,101) 42.57,101 U8#2.2 ; v1(48.15,130.05) 49.12,130.05 49.71,129.46 R2#6.2 49.71,127.91 U5#6.2 ; R5.2 46,117.31 v1(46,118.4)
  Bottom w0.5: v1(48.15,130.05) 46,127.9 ; 46,127.9 v1(46,118.4) ; 46,127.9 v1(44.9,129) ; v1(40.8,101) v1(36.28,101)
Board_1-/AD_Capacitance: length 50.3
  Top w0.25: v1(37,122.4) 37,124.75 35.45,126.3 34.9,126.3 ; C3#5.2 45.88,84.2 D2#2.1 45.3,84.2 v1(43.5,86) ; v1(37,117.7) v1(39.51,115.19)
  Bottom w0.25: v1(43.5,86) 43.5,97.2 41.8,98.9 41.8,112.9 v1(39.51,115.19) ; v1(37,117.7) v1(37,122.4)
Board_1-/BAT: length 24.2
  Top w0.5: v1(41.5,95.9) 41.5,97.2 42.3,98 44.2,98 44.6,98.4 44.6,99.8 44.25,100.15 44.25,101.45 ; v1(40.2,92.3) 36.5,88.6 36.5,81.9
  Bottom w0.5: v1(40.2,92.3) 41.5,93.6 v1(41.5,95.9)
Board_1-/Buzzer: length 28.9
  Top w0.25: v1(42.6,115) 42.6,115.5 39.2,118.9 39.2,120.6 ; v1(45.6,96.31) BZ1.1
  Bottom w0.25: v1(45.6,96.31) 45.6,105.2 42.6,108.2 v1(42.6,115)
Board_1-/D+: length 19.4
  Top w0.2: U1#3.A6 47.47,106.17 47.6,106.3 47.6,107.04 47.47,107.17 U1#3.B6 45.33,107.17 44.8,107.7 44.8,115.02 40.8,119.02 40.8,120.6
Board_1-/D-: length 20.3
  Top w0.2: U1#3.B7 45.82,105.67 45.7,105.79 45.7,106.55 45.82,106.67 U1#3.A7 45.23,106.67 44.4,107.5 44.4,114.78 40.18,119.01 40.18,119.92 40,120.1 40,120.6
Board_1-/EN: length 55.4
  Top w0.25: C1#2.2 U3#2.2 ; U3#2.2 U3#2.2 ; U3#2.2 50.29,97.04 v1(42.64,97.04) ; 34.9,123.9 34.45,123.9 33.4,122.85 R9#4.2 33.31,122.31 33.31,118.22 v1(33.32,118.21)
  Bottom w0.25: v1(42.64,97.04) 34.56,97.04 31.9,99.7 31.9,112.22 33.31,113.63 33.31,118.2 v1(33.32,118.21)
Board_1-/IO8: length 3.7
  Top w0.25: R5.1 44,118.29 44,120.6
Board_1-/IO9: length 46.2
  Top w0.25: J1#4.4 31.92,103.48 31.9,103.5 ; v1(32.43,113.77) 31.84,113.18 31.84,103.56 31.9,103.5 ; U4#2.2 31.9,98.85 31.9,103.5 ; U4#2.2 C2#5.2 ; U4#2.2 U4#2.2 ; 44.8,120.6 44.8,121.15 44.05,121.9 39.7,121.9 v1(39.2,122.4)
  Bottom w0.25: v1(32.43,113.77) 32.6,113.94 32.6,120.1 35.9,123.4 38.2,123.4 v1(39.2,122.4)
Board_1-/LED_GREEN: length 53.7
  Top w0.3: U13#5.25 48.22,121.52 v1(48.23,121.51) ; v1(35.5,87) 34,88.5 D1#6.1
  Bottom w0.3: v1(35.5,87) 37.4,85.1 45.7,85.1 49.4,88.8 49.4,120.34 v1(48.23,121.51)
Board_1-/LED_RED: length 35.7
  Top w0.3: v1(50.15,90.1) 50.15,89.3 D3#4.1 ; U13#5.26 48.48,122.32 v1(50.1,120.7)
  Bottom w0.3: v1(50.1,120.7) 50.1,90.15 v1(50.15,90.1)
Board_1-/Light_Sensor_Analog: length 29.2
  Top w0.25: v1(46.85,112.35) 50.45,112.35 R3.1 C5.1 R1#5.1 51.4,122.05 U6#4.2 ; v1(40.37,116.05) 36.8,119.62 36.8,120.6
  Bottom w0.25: v1(46.85,112.35) 43.15,116.05 v1(40.37,116.05)
Board_1-/Light_Sensor_In: length 2.2
  Top w0.3: U6#4.1 48.82,123.13 U13#5.27
Board_1-/Light_Sensor_Select_1: length 8.4
  Top w0.25: R1#5.2 50.44,115.24 C5.2
  Top w0.3: U13#5.24 45.6,120.08 R1#5.2
Board_1-/Light_Sensor_Select_2: length 12.4
  Top w0.25: 42.4,120.6 42.4,118.3 46.45,114.25 C7#6.2 49.65,113.3 R3.2
Board_1-/RX: length 26
  Top w0.25: 46.7,125.5 45.2,125.5 v1(44.8,125.1)
  Bottom w0.25: J1#4.3 35.65,108.47 35.65,113.6 38.5,116.45 38.5,118.8 v1(44.8,125.1)
Board_1-/SensorCapV: length 31.5
  Top w0.25: R8#4.1 44.74,89.39 42,86.65 42,61.4
Board_1-/Square_Wave_Signal: length 40.4
  Top w0.25: 38.4,120.6 38.4,119.06 41.3,116.16 41.3,114.5 37.1,110.3 37.1,97.2 37.7,96.6 39.8,96.6 40.4,96 40.4,93.9 43.89,90.41 R8#4.2
Board_1-/TH_SCL: length 5.7
  Top w0.3: R2#6.1 48.7,129.19 U5#6.3 47.8,127 47.8,125.1 47.42,124.72 U13#5.29
Board_1-/TH_SDA: length 3.6
  Top w0.3: U5#6.4 48.69,125.89 R10#4.1 48.01,123.92 U13#5.28
Board_1-/TX: length 24.4
  Top w0.25: v1(44.8,126.3) 46.7,126.3
  Bottom w0.25: v1(44.8,126.3) 38,119.5 38,116.68 35.2,113.88 35.2,110.56 J1#4.2
Board_1-/USB: length 18.1
  Top w0.25: v1(40.8,112.1) 40.8,110.57 U7#2.4 ; R7.1 36.41,116.49 v1(39.2,113.7)
  Top w0.5: U7#2.4 U7#2.2 39.75,103.18 U8#2.1
  Bottom w0.25: v1(39.2,113.7) v1(40.8,112.1)
Board_1-/Voltage_Measurement_Analog: length 8.8
  Top w0.25: R4#6.2 R6.1 36,114.2 35.1,115.1 35.1,119.3 36,120.2 36,120.6
Board_1-/Voltage_Measurement_Select: length 9.5
  Top w0.25: v1(41.6,119.3) 41.6,120.6 ; v1(37.9,113.5) R6.2
  Bottom w0.25: v1(41.6,119.3) 41.6,118.3 37.9,114.6 v1(37.9,113.5)
Board_1-GND: length 19.9
  Top w0.25: U1#3.A1B12 46.64,102.67 U1#3.1 ; C1#2.1 U3#2.1 49.24,99.69 R11#4.1 ; 48.1,98.42 48.12,98.4 ; C2#5.1 U4#2.1 ; v1(47.69,88.39) 48,88.08 C3#5.1
  Top w0.3: v1(48.2,90.3) 48.15,90.35 U3#2.1 49.25,92 D3#4.2 ; R12#4.1 51.4,100.49 U1#3.4 ; U4#2.1 34.75,92 D1#6.2 ; 47.22,110.32 46.64,109.74 U1#3.B1A12 ; U5#6.5 v1(49.7,126.8)
  Bottom w0.25: v1(47.69,88.39) 48.2,88.9 v1(48.2,90.3)
  vias: v1(34.3,118.9) v1(35.3,106.9) v1(38.2,109.9) v1(40.5,80.8) v1(43.5,80.8) v1(44.8,127.6) v1(45.1,122.8) v1(47.8,119.3) v1(51.4,106.4)
Board_1-Net-(U1-CC1): length 6.1
  Top w0.25: R11#4.2 49.4,103.29 47.52,105.17 U1#3.A5
Board_1-Net-(U1-CC2): length 9.6
  Top w0.25: R12#4.2 50,101.31 50,105.69 47.52,108.17 U1#3.B5
Board_1-Net-(U7-VIN): length 11.1
  Top w0.5: U1#3.A4B9 43.71,104.02 U7#2.3 ; U7#2.3 43.3,108.4 v1(43.7,108.8) ; U7#2.3 43.37,104.5 ; U1#3.B4A9 46.63,108.8 v1(45.5,108.8)
  Bottom w0.5: v1(43.7,108.8) v1(45.5,108.8)
Board_1-Net-(U13-IO3): length 8.8
  Top w0.25: v1(36,122.4) 36,125.05 35.55,125.5 34.9,125.5 ; v1(36,118.8) R7.2
  Bottom w0.25: v1(36,122.4) v1(36,118.8)
Board_2-+3V3: length 77.3
  Top w0.3: R2.2 74.75,129.2 75.5,128.45 75.5,125.3 74.8,124.6 R10#5.2
  Top w0.5: R5#2.2 70,117.31 v1(70,118.4) ; 60.28,110.68 60.28,110.62 ; 60.28,110.62 58,112.9 R4#4.1 58,113.8 58.4,114.2 C8#4.1 57.11,115.12 56.38,115.85 56.38,122.64 57.6,123.86 57.6,127.6 57.9,127.9 59.8,127.9 60.9,129 v1(68.9,129) ; 60.28,110.62 v1(60.28,101) 60.22,100.94 J1.5 ; v1(64.8,101) 66.57,101 U8.2 ; U5.2 73.71,127.91 R2.2 73.71,129.46 73.12,130.05 v1(72.15,130.05)
  Bottom w0.5: v1(70,118.4) 70,127.9 ; 70,127.9 v1(72.15,130.05) ; 70,127.9 v1(68.9,129) ; v1(64.8,101) v1(60.28,101)
Board_2-/AD_Capacitance: length 50.3
  Top w0.25: v1(61,117.7) v1(63.51,115.19) ; C3#3.2 69.88,84.2 D2.1 69.3,84.2 v1(67.5,86) ; 58.9,126.3 59.45,126.3 61,124.75 v1(61,122.4)
  Bottom w0.25: v1(63.51,115.19) 65.8,112.9 65.8,98.9 67.5,97.2 v1(67.5,86) ; v1(61,117.7) v1(61,122.4)
Board_2-/BAT: length 24.2
  Top w0.5: v1(64.2,92.3) 60.5,88.6 60.5,81.9 ; 68.25,101.45 68.25,100.15 68.6,99.8 68.6,98.4 68.2,98 66.3,98 65.5,97.2 v1(65.5,95.9)
  Bottom w0.5: v1(65.5,95.9) 65.5,93.6 v1(64.2,92.3)
